# Altium PCB ANALOG_BOARD.PcbDoc (part 1 of 2) (continued)
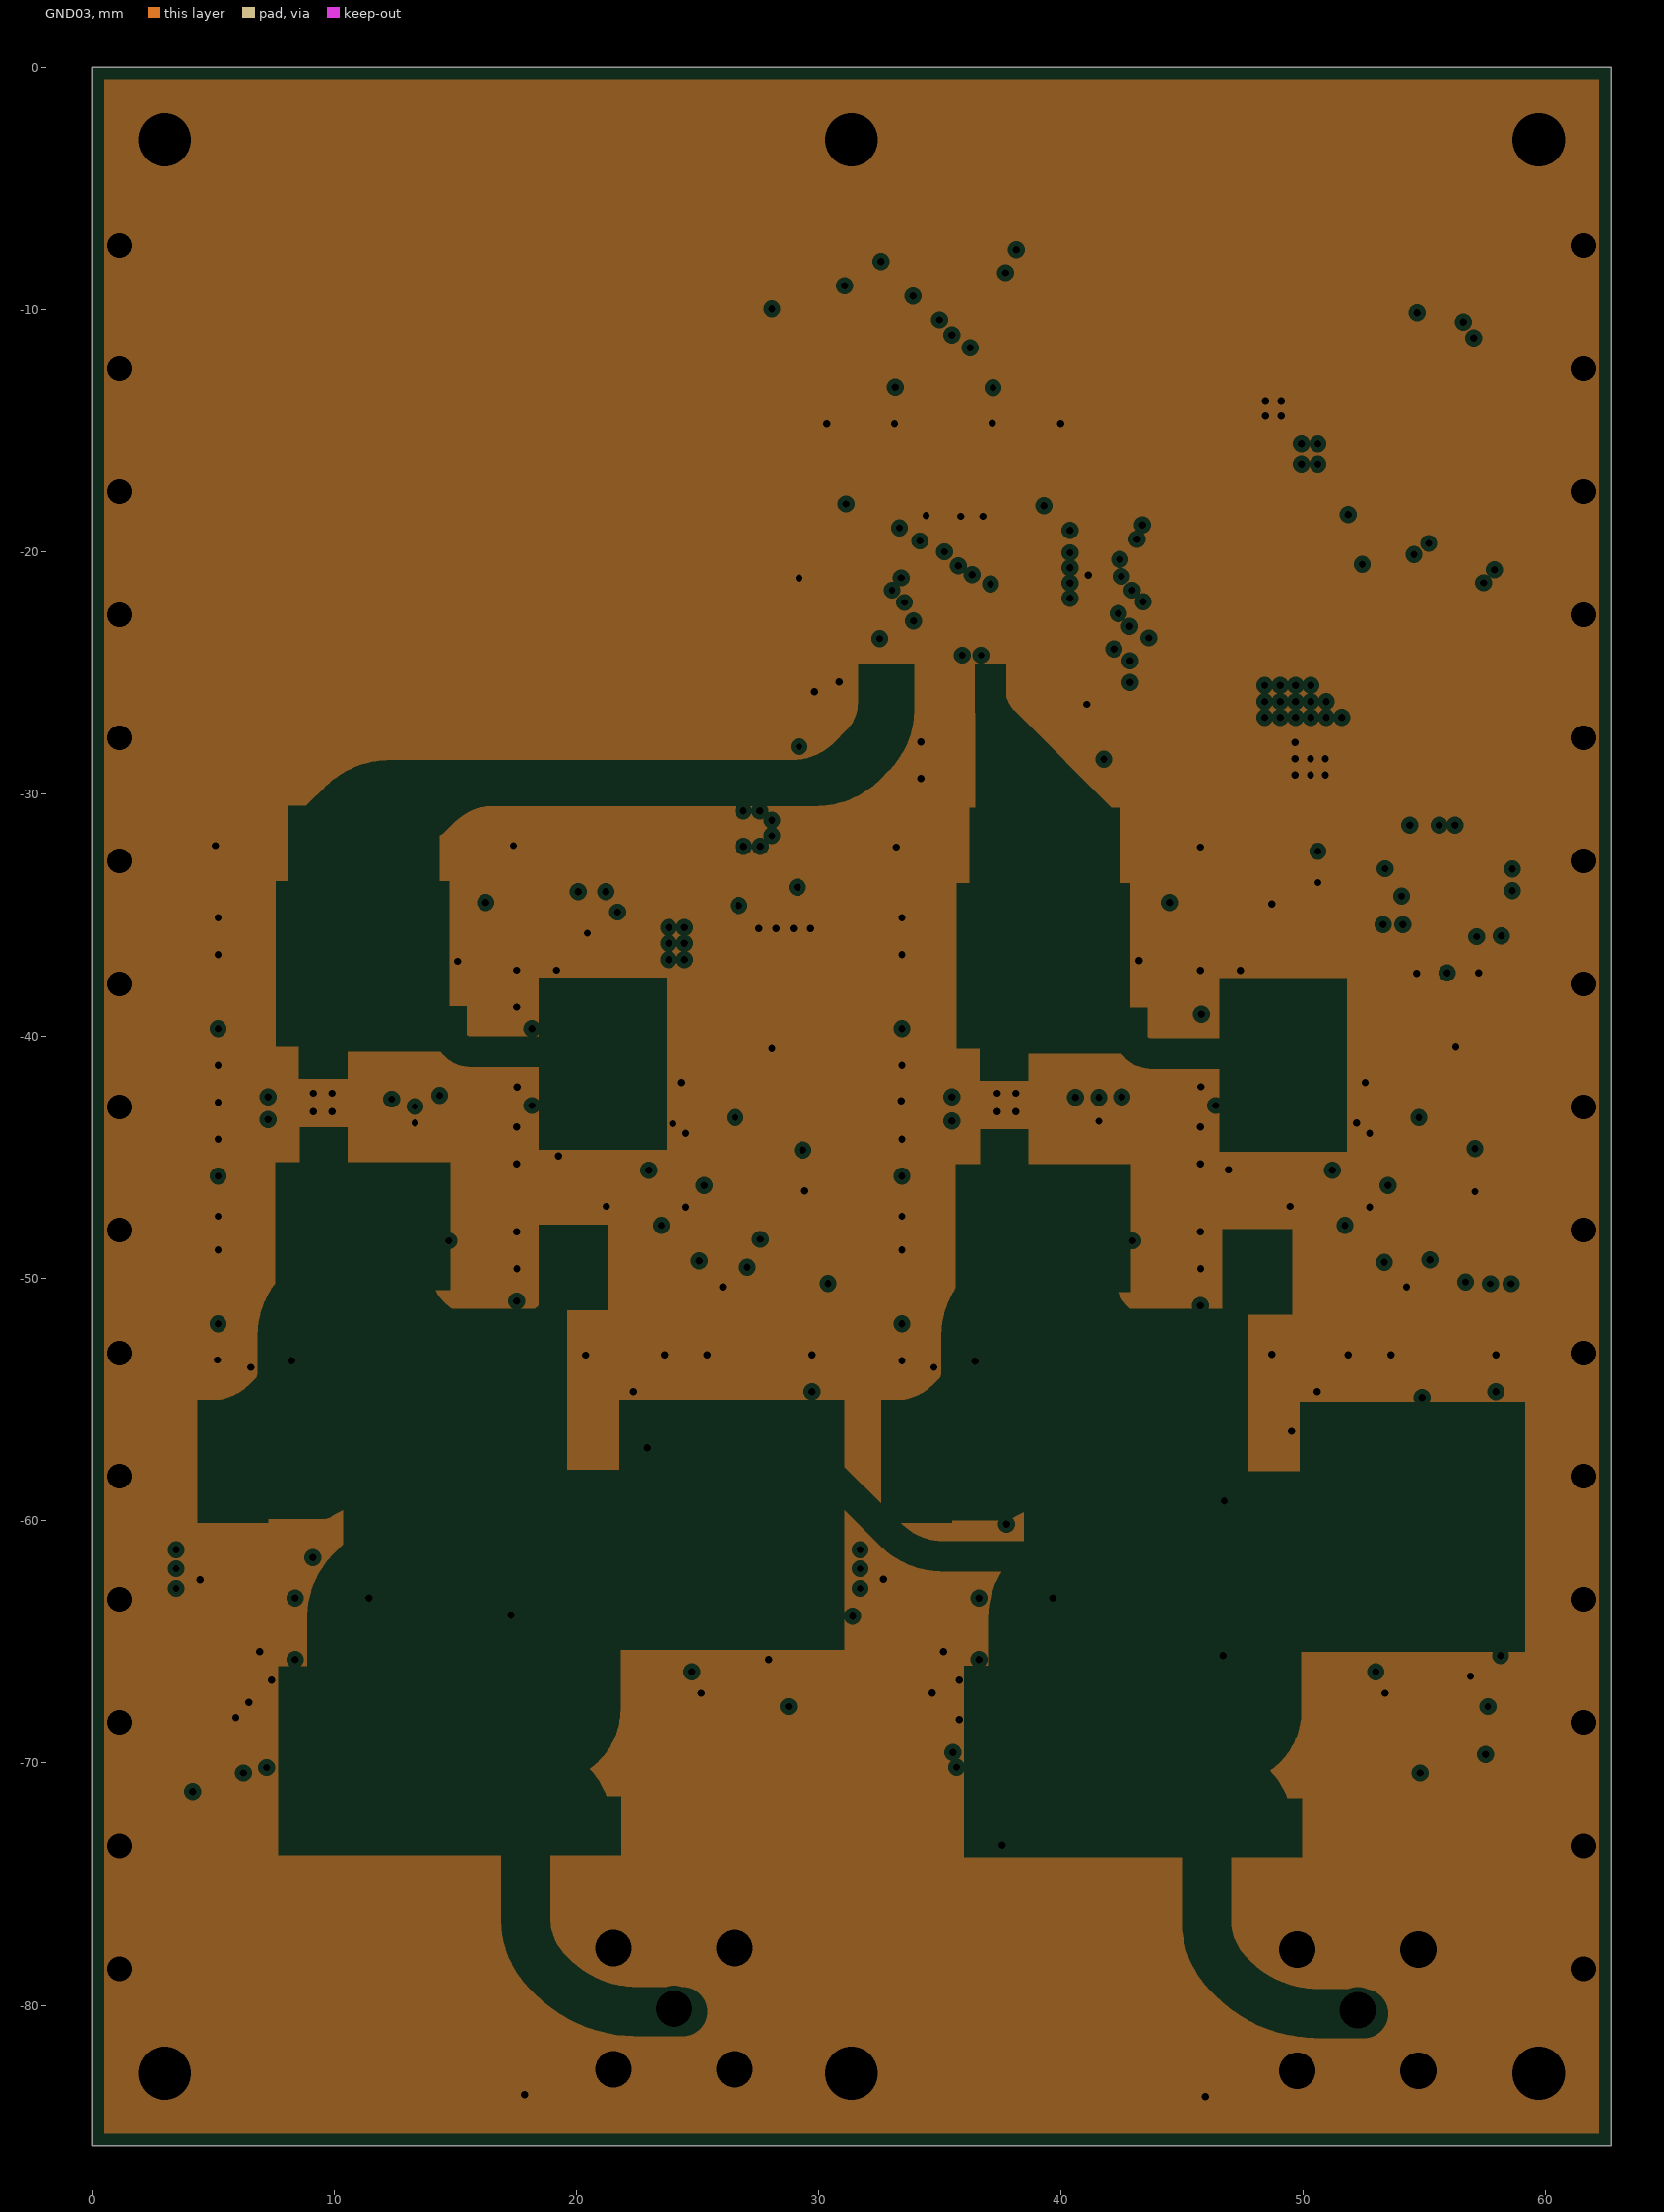
[diagram p3: GND03, clearances drawn from the general rule]
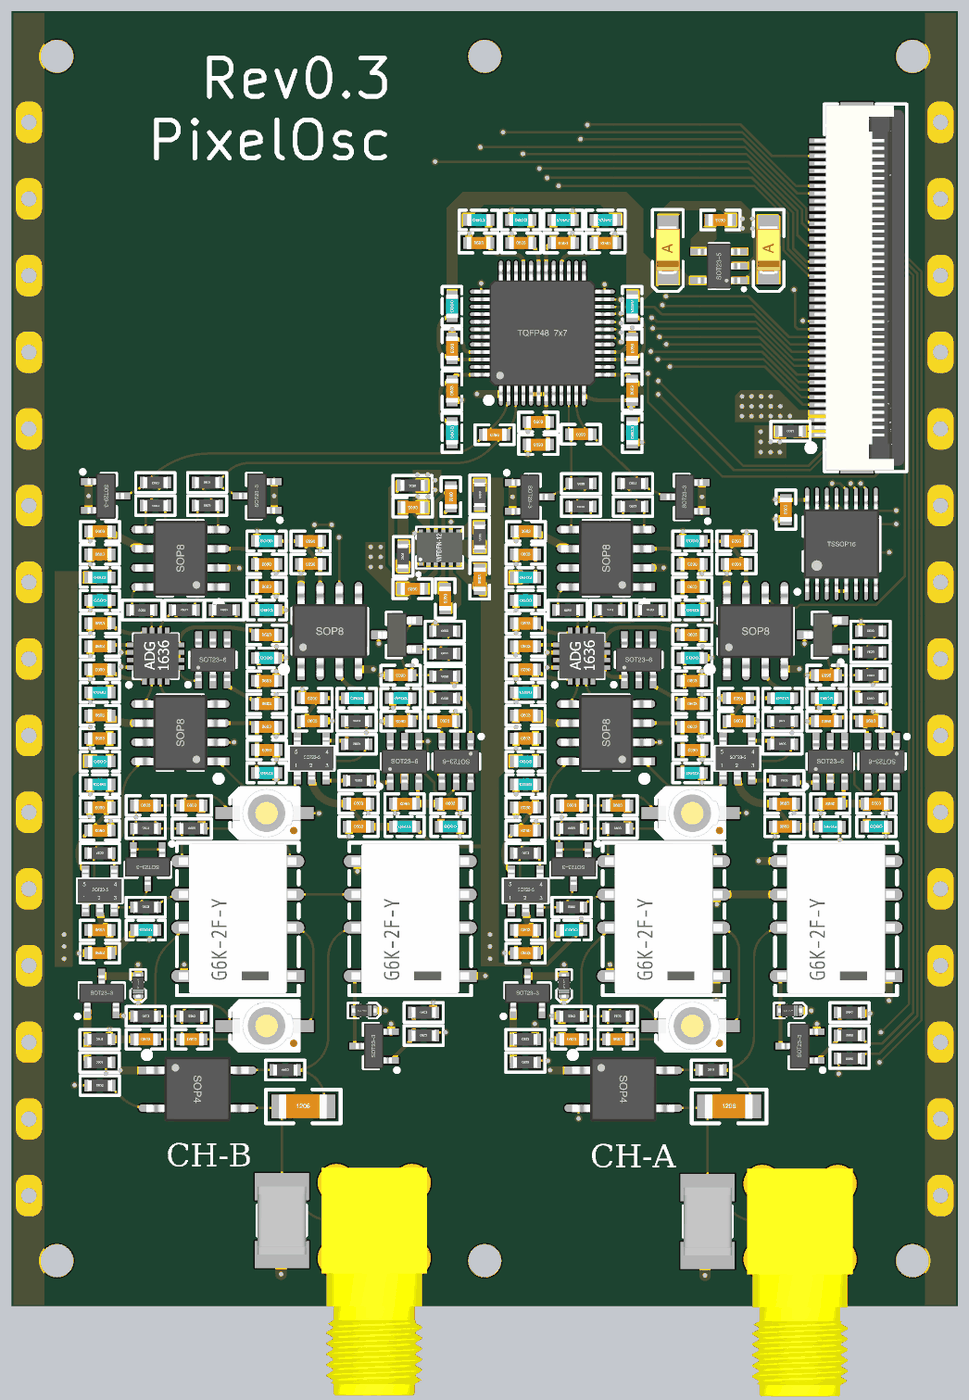
[diagram p5: 3D render of the assembled board from above, using the file's embedded part models]

## Layer stack, top to bottom
Top Solder: solder mask 0.0102, Solder Resist, Dk 3.5
Top Layer: signal copper 0.0356
Dielectric 2: prepreg 0.0711, PP-006, Dk 4.1
PWR02: plane copper 0.035, net +3
Dielectric 1: dielectric 1.6, FR-4, Dk 4.8
GND03: plane copper 0.035, net DGND
Dielectric 3: prepreg 0.0711, PP-006, Dk 4.1
Bottom Layer: signal copper 0.0356
Bottom Solder: solder mask 0.0102, Solder Resist, Dk 3.5

## Board outline
0,-85.802 0,0 62.7,0 62.7,-85.802

## Design rules (kind name [scope] priority, off if disabled: settings)
Clearance [All] p1: gap=0.127 ignorepadtopadclearanceinfootprint=FALSE
DiffPairsRouting [All] p1: maxlimit=0.508 minlimit=0.152 mostfreqgap=0.508 toplayer_minwidth=0.152 toplayer_maxwidth=0.508 toplayer_prefwidth=0.152 bottomlayer_minwidth=0.152 bottomlayer_maxwidth=0.508 bottomlayer_prefwidth=0.152 maxuncoupledlength=12.7
PlaneClearance [All] p1: clearance=0.203
PlaneConnect [All] p1: planeconnectstyle=Direct reliefexpansion=0.508 reliefentries=4 reliefconductorwidth=0.254 reliefairgap=0.254
PolygonConnect [All] p1: connectstyle=Direct reliefconductorwidth=0.254 reliefentries=4 polygonreliefangle="90 Angle" airgapwidth=0.254
RoutingVias [All] p1: holewidth=0.3 width=0.5 viastyle="Through Hole" minholewidth=0.3 minwidth=0.5 maxholewidth=0.3 maxwidth=0.5
SolderMaskExpansion [All] p1: expansion=0.102 istentingtop=FALSE
UnRoutedNet [All] p1: checkbadconnections=TRUE
Width [All] p1: maxlimit=1.27 minlimit=0.152 preferedwidth=0.508
26 further rules are at their usual default settings.

## Classes and differential pairs
component class ANALOG_PART2: B15 B16 B17 B18 B19 B20 B21 B22 B23 B24 B25 B26 B27 B28 C57 C58 C59 C60 C61 C62 C63 C64 C65 C66 C67 C68 C69 C70 C71 C72 C73 C74 C75 C76 C77 C78 C79 C80 C81 C82 C83 C84 C85 C86 C87 C88 C89 C90 C91 C92 C93 D8 D9 D10 G2 IC1 JP2 L23 L24 L25 L26 L27 L28 L29 L30 L31 L32 L33 L34 L35 L36 Q3 Q4 R34 R35 R36 R37 R38 R39 R40 R41 R42 R43 R44 R45 R46 R47 R48 R49 R50 R51 R52 R53 R54 R55 R56 R57 U17 U18 U19 U20 U21 U22 U23 U24 U26 U27 U28 U29 U?
component class AtoD_PART: 1 C45 C46 C47 C48 C49 C50 C51 C52 C53 C54 C55 C56 D4 D5 D6 D7 L1 L2 L3 L4 L5 L6 L7 L8 R29 R30 R31 R32 R33 SP1 SP2 SP3 SP4 SP5 SP6 U16
component class ANALOG_PART1: B1 B2 B3 B4 B5 B6 B7 B8 B9 B10 B11 B12 B13 B14 C1 C2 C3 C4 C5 C6 C7 C8 C9 C10 C11 C12 C13 C14 C15 C16 C17 C18 C19 C20 C21 C22 C23 C24 C25 C26 C27 C28 C29 C30 C31 C32 C33 C34 C35 C36 C37 C38 C39 C40 C41 C42 C43 C44 D1 D2 D3 G1 JP1 L9 L10 L11 L12 L13 L14 Q1 Q2 R1 R2 R3 R4 R5 R6 R7 R8 R9 R10 R11 R12 R13 R14 R15 R16 R17 R18 R19 R20 R21 R22 R23 R24 R25 R26 R27 R28 U1 U2 U3 U4 U5 U6 U7 U8 U9 U10 U11 U12 U13 U14 U15

## Components (designator, comment, footprint, x,y, rotation, side; value= is the part's Value field where it differs from the comment)
1 "FPC1.0-40P" "FPC0.5 2H-WS-40P" 56.012,-18.339 r90 top
B1 "1K" "B 0603_L" 34.061,-39.051 r0 top
B2 "1K" "B 0603_L" 34.061,-51.243 r180 top
B3 "1K" "B 0603_L" 45.11,-50.481 r0 top
B4 "1K" "B 0603_L" 34.061,-45.147 r180 top
B5 "1K" "B 0603_L" 45.124,-39.684 r0 top
B6 "1K" "B 0603_L" 37.109,-60.895 r180 top
B7 "1K" "B 0603_L" 34.061,-49.719 r0 top
B8 "1K" "B 0603_L" 34.061,-37.527 r0 top
B9 "1K" "B 0603_L" 51.079,-45.528 r0 top
B10 "1K" "B 0603_L" 45.11,-35.114 r180 top
B11 "1K" "B 0603_L" 54.254,-54.037 r0 top
B12 "1K" "B 0603_L" 45.11,-42.861 r180 top
B13 "1K" "B 0603_L" 54,-45.528 r0 top
B14 "1K" "B 0603_L" 57.302,-54.037 r180 top
B15 "1K" "B 0603_L" 5.842,-39.051 r0 top
B16 "1K" "B 0603_L" 5.842,-51.243 r180 top
B17 "1K" "B 0603_L" 16.891,-50.481 r0 top
B18 "1K" "B 0603_L" 5.842,-45.147 r180 top
B19 "1K" "B 0603_L" 16.905,-39.684 r0 top
B20 "1K" "B 0603_L" 8.89,-60.895 r180 top
B21 "1K" "B 0603_L" 5.842,-49.719 r0 top
B22 "1K" "B 0603_L" 5.842,-37.527 r0 top
B23 "1K" "B 0603_L" 22.86,-45.528 r0 top
B24 "1K" "B 0603_L" 16.891,-35.114 r180 top
B25 "1K" "B 0603_L" 26.035,-54.037 r0 top
B26 "1K" "B 0603_L" 16.891,-42.861 r180 top
B27 "1K" "B 0603_L" 25.781,-45.528 r0 top
B28 "1K" "B 0603_L" 29.083,-54.037 r180 top
C1 "100nF" "C 0603_L" 34.061,-40.575 r0 top
C2 "22NF" "C 1206_L" 47.523,-72.579 r0 top
C3 "100nF" "C 0603_L" 34.061,-42.099 r0 top
C4 "22UF" "C 0603_L" 34.061,-52.767 r180 top
C5 "100nF" "C 0603_L" 34.061,-54.291 r180 top
C6 "22UF" "C 0603_L" 45.11,-47.433 r0 top
C7 "100nF" "C 0603_L" 45.125,-48.957 r180 top
C8 "22UF" "C 0603_L" 45.11,-38.162 r0 top
C9 "100nF" "C 0603_L" 45.11,-36.638 r180 top
C10 "100nF" "C 0603_L" 34.061,-43.623 r180 top
C11 "2-6P" RC-SMD 44.983,-67.245 r0 top
C12 "15PF" "C 0603_L" 40.157,-68.134 r0 top
C13 "360P" "C 0603_L" 40.157,-52.64 r0 top
C14 "360P" "C 0603_L" 37.109,-68.134 r0 top
C15 "20P" RC-SMD 44.983,-53.148 r0 top
C16 "15PF" "C 0603_L" 37.109,-52.64 r0 top
C17 "22UF" "C 0603_L" 34.061,-62.419 r0 top
C18 "100nF" "C 0603_L" 34.061,-60.895 r0 top
C19 "22UF" "C 0603_L" 34.061,-48.195 r0 top
C20 "100nF" "C 0603_L" 34.061,-46.671 r0 top
C21 "22UF" "C 0603_L" 34.076,-34.479 r0 top
C22 "100nF" "C 0603_L" 34.061,-36.003 r0 top
C23 "100nF" "C 0603_L" 45.11,-41.337 r0 top
C24 "100nF" "C 0603_L" 48.158,-45.528 r180 top
C25 "22uF" "C 0603_L" 48.158,-47.052 r0 top
C26 "22uF" "C 0603_L" 48.031,-36.638 r180 top
C27 "100nF" "C 0603_L" 48.031,-35.114 r180 top
C28 "100nF" "C 0603_L" 51.206,-52.513 r0 top
C29 "22UF" "C 0603_L" 51.206,-54.037 r0 top
C30 "10uF" "CD A(3216)" 50.165,-15.824 r90 top
C31 "10uF" "C 0603_L" 54,-44.004 r180 top
C32 "47uF" "CD A(3216)" 43.485,-15.83 r90 top
C33 "10nF" "C 0603_L" 46.965,-13.843 r180 top
C34 "2.2uF" "C 0603_L" 26.58,-32.878 r180 top
C35 "2.2uF" "C 0603_L" 26.568,-38.278 r180 top
C36 "4.7uF" "C 0603_L" 28.727,-38.928 r270 top
C37 "1uF" "C 0603_L" 29.108,-32.193 r270 top
C38 "2.2uF" "C 0603_L" 31.013,-37.654 r90 top
C39 "22uF" "C 0603_L" 54.254,-52.513 r180 top
C40 "100nF" "C 0603_L" 57.302,-52.513 r0 top
C41 "22uF" "C 0603_L" 45.11,-45.909 r0 top
C42 "100nF" "C 0603_L" 45.11,-44.385 r0 top
C43 "22uF" "C 0603_L" 56.921,-47.052 r0 top
C44 "100nF" "C 0603_L" 54,-47.052 r180 top
C45 "104" "C 0603_L" 29.185,-25.146 r90 top
C46 "104" "C 0603_L" 41.123,-22.352 r270 top
C47 "104" "C 0603_L" 41.123,-25.131 r90 top
C48 "104" "C 0603_L" 39.345,-15.367 r180 top
C49 "104" "C 0603_L" 36.551,-15.367 r180 top
C50 "104" "C 0603_L" 30.948,-15.367 r0 top
C51 "104" "C 0603_L" 33.757,-15.367 r0 top
C52 "104" "C 0603_L" 29.185,-22.352 r270 top
C53 "104" "C 0603_L" 37.719,-28.042 r180 top
C54 "104" "C 0603_L" 34.9,-27.229 r0 top
C55 "10uF/6.3V" "C 0603_L" 34.9,-28.727 r180 top
C56 "104" "C 0603_L" 32.004,-28.067 r180 top
C57 "100nF" "C 0603_L" 5.842,-40.575 r0 top
C58 "22NF" "C 1206_L" 19.304,-72.579 r0 top
C59 "100nF" "C 0603_L" 5.842,-42.099 r0 top
C60 "22UF" "C 0603_L" 5.842,-52.767 r180 top
C61 "100nF" "C 0603_L" 5.842,-54.291 r180 top
C62 "22UF" "C 0603_L" 16.891,-47.433 r0 top
C63 "100nF" "C 0603_L" 16.906,-48.957 r180 top
C64 "22UF" "C 0603_L" 16.891,-38.162 r0 top
C65 "100nF" "C 0603_L" 16.891,-36.638 r180 top
C66 "100nF" "C 0603_L" 5.842,-43.623 r180 top
C67 "2-6P" RC-SMD 16.764,-67.245 r0 top
C68 "15PF" "C 0603_L" 11.938,-68.134 r0 top
C69 "360P" "C 0603_L" 11.938,-52.64 r0 top
C70 "360P" "C 0603_L" 8.89,-68.134 r0 top
C71 "20P" RC-SMD 16.764,-53.148 r0 top
C72 "15PF" "C 0603_L" 8.89,-52.64 r0 top
C73 "22UF" "C 0603_L" 5.842,-62.419 r0 top
C74 "100nF" "C 0603_L" 5.842,-60.895 r0 top
C75 "22UF" "C 0603_L" 5.842,-48.195 r0 top
C76 "100nF" "C 0603_L" 5.842,-46.671 r0 top
C77 "22UF" "C 0603_L" 5.857,-34.479 r0 top
C78 "100nF" "C 0603_L" 5.842,-36.003 r0 top
C79 "100nF" "C 0603_L" 16.891,-41.337 r0 top
C80 "100nF" "C 0603_L" 19.939,-45.528 r180 top
C81 "22uF" "C 0603_L" 19.939,-47.052 r0 top
C82 "22uF" "C 0603_L" 19.812,-36.638 r180 top
C83 "100nF" "C 0603_L" 19.812,-35.114 r180 top
C84 "100nF" "C 0603_L" 22.987,-52.513 r0 top
C85 "22UF" "C 0603_L" 22.987,-54.037 r0 top
C86 "10uF" "C 0603_L" 25.781,-44.004 r180 top
C87 "1uF" "C 0603_L" 51.308,-33.035 r90 top
C88 "22uF" "C 0603_L" 16.891,-45.909 r0 top
C89 "100nF" "C 0603_L" 16.891,-44.385 r0 top
C90 "22uF" "C 0603_L" 28.702,-47.052 r0 top
C91 "100nF" "C 0603_L" 25.781,-47.052 r180 top
C92 "22uF" "C 0603_L" 26.035,-52.513 r180 top
C93 "100nF" "C 0603_L" 29.083,-52.513 r0 top
D1 "1N4148" SOD-523_L 36.601,-64.578 r270 top
D2 "BAV199" SOT23-3L 37.236,-56.704 r180 top
D3 "1N4148" SOD-523_L 51.587,-66.229 r0 top
D4 "BAV199" SOT23-3L 44.602,-32.193 r90 top
D5 "BAV199" SOT23-3L 34.333,-32.193 r270 top
D6 "BAV199" SOT23-3L 16.256,-32.131 r90 top
D7 "BAV199" SOT23-3L 6.241,-32.131 r270 top
D8 "1N4148" SOD-523_L 8.382,-64.578 r270 top
D9 "BAV199" SOT23-3L 9.017,-56.704 r180 top
D10 "1N4148" SOD-523_L 23.368,-66.229 r0 top
G1 "GDT-90V-3KA" GDT-1812 46.123,-80.199 r270 top
G2 "GDT-90V-3KA" GDT-1812 17.904,-80.137 r270 top
IC1 "74HC138" TSSOP16_L 54.991,-35.306 r90 top
JP1 "SMA" SMA_FR 52.246,-80.199 r180 top
JP2 "SMA" SMA_FR 24.027,-80.137 r180 top
L1 "10uH" "L 0603_L" 29.185,-27.94 r90 top
L2 "10uH" "L 0603_L" 41.123,-19.558 r270 top
L3 "10uH" "L 0603_L" 41.123,-27.94 r90 top
L4 "10uH" "L 0603_L" 39.345,-13.843 r180 top
L5 "10uH" "L 0603_L" 36.551,-13.843 r180 top
L6 "10uH" "L 0603_L" 30.963,-13.843 r0 top
L7 "10uH" "L 0603_L" 33.742,-13.843 r0 top
L8 "10uH" "L 0603_L" 29.185,-19.558 r270 top
Q1 "SI2302" SOT23-3L 34.188,-65.086 r0 top
Q2 "SI2302" SOT23-3L 52.222,-68.576 r90 top
Q3 "SI2302" SOT23-3L 5.969,-65.086 r0 top
Q4 "SI2302" SOT23-3L 24.003,-68.576 r90 top
R1 "1K 精密电阻" "R 0603_L" 37.729,-32.828 r180 top
R2 "75" "R 0603_L" 46.348,-70.166 r0 top
R3 "953K" "R 0603_L" 40.157,-66.61 r0 top
R4 "47K" "R 0603_L" 40.157,-54.164 r0 top
R5 "1K 精密" "R 0603_L" 36.855,-39.686 r180 top
R6 "47K" "R 0603_L" 37.109,-66.61 r0 top
R7 "1K" "R 0603_L" 34.061,-55.804 r0 top
R8 "499" "R 0603_L" 55.524,-69.404 r180 top
R9 "1K 精密" "R 0603_L" 39.649,-39.686 r0 top
R10 "953K" "R 0603_L" 37.109,-54.164 r0 top
R11 "75" "R 0603_L" 37.109,-59.371 r0 top
R12 "4.99K" "R 0603_L" 34.046,-68.134 r0 top
R13 "75" "R 0603_L" 34.046,-69.658 r0 top
R14 "1K 精密电阻" "R 0603_L" 41.173,-32.828 r0 top
R15 "4.99K" "R 0603_L" 55.524,-66.356 r0 top
R16 "75" "R 0603_L" 55.524,-67.88 r0 top
R17 "1K" "R 0603_L" 56.921,-44.004 r180 top
R18 "1K" "R 0603_L" 51.206,-50.989 r0 top
R19 "1K" "R 0603_L" 56.921,-42.48 r0 top
R20 "1K" "R 0603_L" 56.921,-45.528 r180 top
R21 "1K" "R 0603_L" 56.921,-41.083 r0 top
R22 "100K" "R 0603_L" 25.933,-36.13 r90 top
R23 "4.99K 精密电阻" "R 0603_L" 51.08,-48.576 r0 top
R24 "1K" "R 0603_L" 42.316,-39.686 r0 top
R25 "4.99K 精密电阻" "R 0603_L" 51.079,-47.052 r0 top
R26 "150K" "R 0603_L" 26.568,-31.431 r180 top
R27 "100K" "R 0603_L" 31.013,-32.051 r270 top
R28 "100K" "R 0603_L" 31.013,-34.86 r270 top
R29 "1K" "R 0603_L" 41.173,-31.304 r0 top
R30 "1K" "R 0603_L" 37.729,-31.304 r180 top
R31 "1K" "R 0603_L" 12.954,-31.242 r0 top
R32 "1K" "R 0603_L" 9.525,-31.242 r180 top
R33 "0R" "R 0603_L" 51.613,-27.838 r0 top
R34 "1K 精密电阻" "R 0603_L" 9.525,-32.766 r180 top
R35 "75" "R 0603_L" 18.129,-70.166 r0 top
R36 "976K" "R 0603_L" 11.938,-66.61 r0 top
R37 "47K" "R 0603_L" 11.938,-54.164 r0 top
R38 "1K 精密" "R 0603_L" 8.636,-39.686 r180 top
R39 "24K" "R 0603_L" 8.89,-66.61 r0 top
R40 "24K" "R 0603_L" 5.842,-55.804 r0 top
R41 "499" "R 0603_L" 5.842,-71.196 r0 top
R42 "1K 精密" "R 0603_L" 11.43,-39.686 r0 top
R43 "953K" "R 0603_L" 8.89,-54.164 r0 top
R44 "75" "R 0603_L" 8.89,-59.371 r0 top
R45 "4.99K" "R 0603_L" 5.827,-68.134 r0 top
R46 "75" "R 0603_L" 5.827,-69.658 r0 top
R47 "1K 精密电阻" "R 0603_L" 12.954,-32.766 r0 top
R48 "4.99K" "R 0603_L" 27.305,-66.356 r0 top
R49 "75" "R 0603_L" 27.305,-67.88 r0 top
R50 "1K" "R 0603_L" 22.987,-50.989 r0 top
R51 "1K" "R 0603_L" 28.702,-44.069 r180 top
R52 "1K" "R 0603_L" 28.702,-42.57 r0 top
R53 "1K" "R 0603_L" 28.702,-45.528 r180 top
R54 "1K" "R 0603_L" 28.702,-41.083 r0 top
R55 "4.99K 精密电阻" "R 0603_L" 22.86,-48.576 r0 top
R56 "1K" "R 0603_L" 14.097,-39.686 r0 top
R57 "4.99K 精密电阻" "R 0603_L" 22.86,-47.052 r0 top
SP1 "M2铜柱" M2#1 66.11,-82.802 r0 top
SP2 "M2铜柱" M2#2 31.35,-3 r0 top
SP3 "M2铜柱" M2#3 59.436,-79.441 r0 top
SP4 "M2铜柱" M2#2 59.7,-3 r0 top
SP5 "M2铜柱" M2#4 12.319,-81.215 r0 top
SP6 "M2铜柱" M2#5 3,-89.789 r0 top
U1 "G6K-2Y-F-5V" G6K-2F-Y 54.635,-60.133 r90 top
U2 "G6K-2Y-F-3V" G6K-2F-Y 43.205,-60.133 r90 top
U3 "AD8330" LFCSP-16 37.768,-42.746 r90 top
U4 "AQY282SX" SOP4_L 40.538,-71.436 r0 top
U5 "AD8132" SOP8_L 39.395,-36.257 r180 top
U6 "AD8061" SOT23-5 33.111,-59.498 r0 top
U7 "AD8131" SOP8_L 39.395,-47.814 r180 top
U8 "TP5531" SOT23-5 47.147,-50.722 r0 top
U9 "SGM2036-3.0" SOT23-5L 46.876,-16.904 r90 top
U10 "TLV3501" SOP8_L 49.301,-41.083 r90 top
U11 "TLV431AIDBZR" DBZ0003A_N 53.746,-41.337 r180 top
U12 "LM27762" WSON-12 28.358,-35.545 r0 top
U13 "MCP4725" SOT23-6L 54.254,-49.719 r0 top
U14 "MCP4725" SOT23-6L 41.554,-42.988 r0 top
U15 "MCP4725" SOT23-6L 57.683,-49.719 r180 top
U16 "AD9288BSTZ-100" "TQFP48 7x7_L" 35.172,-21.34 r0 top
U17 "G6K-2Y-F-5V" G6K-2F-Y 26.416,-60.133 r90 top
U18 "G6K-2Y-F-3V" G6K-2F-Y 14.986,-60.133 r90 top
U19 "AD8330" LFCSP-16 9.549,-42.746 r90 top
U20 "AQY282SX" SOP4_L 12.319,-71.436 r0 top
U21 "AD8132" SOP8_L 11.176,-36.257 r180 top
U22 "AD8061" SOT23-5 4.892,-59.498 r0 top
U23 "AD8131" SOP8_L 11.176,-47.814 r180 top
U24 "TP5531" SOT23-5 18.928,-50.722 r0 top
U26 "TLV431AIDBZR" DBZ0003A_N 25.527,-41.337 r180 top
U27 "MCP4725" SOT23-6L 13.335,-42.988 r0 top
U28 "MCP4725" SOT23-6L 29.464,-49.719 r180 top
U29 "MCP4725" SOT23-6L 26.035,-49.719 r0 top
U? "TLV3501" SOP8_L 21.082,-41.083 r90 top

## Footprints (in the part's own frame and the unit in brackets; to place one, negate y for a bottom-side part, rotate by r counter-clockwise, add the part's x,y. Pads: shape width x height; smd on the part's side, far side on the other; paste and mask are expansions set on the pad)
"B 0603_L" [mil]
  rect 30x30 smd: 1(-25.59,0) 2(25.59,0)
  silkscreen extent -51,-26 51,26, body extent -31,-16 31,16, height 31
"C 0603_L" [mil] "无极性贴片电容"
  rect 30x30 smd: 1(-25.59,0) 2(25.59,0)
  silkscreen extent -51,-26 51,26, body extent -31,-16 31,16, height 32
"C 1206_L" [mil] "无极性贴片电容"
  rect 55x62 smd: 1(-55.12,0) 2(57.09,0)
  silkscreen extent -96,-44 98,44, body extent -63,-32 63,32, height 48
"CD A(3216)" [mm] "长3.2mm，宽1.6mm，厚1.6mm"
  rect 1.2x1.4 smd: 1(-1.7,0) 2(1.7,0)
  silkscreen extent -2.74,-1.02 2.67,1.02, body extent -1.6,-0.8 1.6,0.8, height 1.6
DBZ0003A_N [mm] "SOT23, 3-Leads, Body 3.04x1.4mm, Pitch 0.95mm, IPC Medium Density"
  rrect17% 1x0.6 smd: 1(-1.2,0.95) 2(-1.2,-0.95) 3(1.2,0)
  silkscreen extent -1.33,-1.5 0.7,1.92, body extent -1.26,-1.46 1.26,1.46, height 0.96
"FPC0.5 2H-WS-40P" [mm] "长：24.2mm，宽：5.2mm，高：2mm"
  rect 1.8x2.2 smd: 0(-11.4,0) 0(11.4,0)
  rect 0.3x1.3 smd: 1(-9.75,2.497) 2(-9.25,2.497) 3(-8.75,2.497) 4(-8.25,2.497) 5(-7.75,2.497) 6(-7.25,2.497) 7(-6.75,2.497) 8(-6.25,2.497) 9(-5.75,2.497) 10(-5.25,2.497) 11(-4.75,2.497) 12(-4.25,2.497) 13(-3.75,2.497) 14(-3.25,2.497) 15(-2.75,2.497) 16(-2.25,2.497) 17(-1.75,2.497) 18(-1.25,2.497) 19(-0.75,2.497) 20(-0.25,2.497) 21(0.25,2.497) 22(0.75,2.497) 23(1.25,2.497) 24(1.75,2.497) 25(2.25,2.497) 26(2.75,2.497) 27(3.25,2.497) 28(3.75,2.497) 29(4.25,2.497) 30(4.75,2.497) 31(5.25,2.497) 32(5.75,2.497) 33(6.25,2.497) 34(6.75,2.497) 35(7.25,2.497) 36(7.75,2.497) 37(8.25,2.497) 38(8.75,2.497) 39(9.25,2.497) 40(9.75,2.497)
  silkscreen extent -12.17,-3.3 12.17,3.23, body extent -12.1,-3.15 12.1,2.85, height 2
G6K-2F-Y [mm] "10mm*6.5mm*5.2mm( 长*宽*高)"
  rect 0.8x1.8 smd: 1(-3.8,-3.5)
  oval 0.8x1.8 smd: 2(-0.6,-3.5) 3(1.6,-3.5) 4(3.8,-3.5) 5(3.8,3.5) 6(1.6,3.5) 7(-0.6,3.5) 8(-3.8,3.5)
  silkscreen extent -5.08,-4.04 5.03,4.04, body extent -5,-3.9 5,3.9, height 5.45
GDT-1812 [mm]
  rect 1.8x3.6 smd: 1(-2.25,0) 2(2.25,0)
  silkscreen extent -1,-1.6 1,1.6, body extent -2.25,-1.6 2.25,1.6, height 2.67
"L 0603_L" [mil]
  rect 30x30 smd: 1(-25.59,0) 2(25.59,0)
  silkscreen extent -51,-26 51,26, body extent -31,-16 31,16, height 31
LFCSP-16 [mm]
  rect 1.5x1.5 smd: 0(0,0)
  rect 0.8x0.3 smd: 1(-1.5,0.75) 2(-1.5,0.248) 3(-1.5,-0.25) 4(-1.5,-0.75) 9(1.5,-0.75) 10(1.5,-0.25) 11(1.5,0.25) 12(1.5,0.75)
  rect 0.3x0.8 smd: 5(-0.75,-1.5) 6(-0.25,-1.5) 7(0.25,-1.5) 8(0.751,-1.498) 13(0.75,1.5) 14(0.25,1.5) 15(-0.25,1.5) 16(-0.75,1.5)
  silkscreen extent -2.03,-1.5 1.5,1.9, body extent -1.48,-1.52 1.52,1.48, height 0.73
M2#1 [mm] "M3螺丝孔，孔125Mil，焊盘200Mil"
  round 2.175 hole 2.175: 1(-34.76,0)
M2#2 [mm] "M3螺丝孔，孔125Mil，焊盘200Mil"
  round 2.175 hole 2.175: 1(0,0)
M2#3 [mm] "M3螺丝孔，孔125Mil，焊盘200Mil"
  round 2.175 hole 2.175: 1(0.264,-3.361)
M2#4 [mm] "M3螺丝孔，孔125Mil，焊盘200Mil"
  round 2.175 hole 2.175: 1(-9.319,-1.587)
M2#5 [mm] "M3螺丝孔，孔125Mil，焊盘200Mil"
  round 2.175 hole 2.175: 1(0,86.789)
"R 0603_L" [mil] "1/10W贴片电阻"
  rect 30x30 smd: 1(-25.59,0) 2(25.59,0)
  silkscreen extent -51,-26 51,26, body extent -31,-16 32,16, height 16
RC-SMD [mm]
  rect 2x0.8 smd: 1(-2.25,0) 2(2.25,0)
  silkscreen extent -2.29,-1.65 2.25,1.65, body extent -2.12,-1.6 2.38,1.6, height 1.5